# Altium PCB DB_Main-X02.PcbDoc (part 2 of 3) (continued)
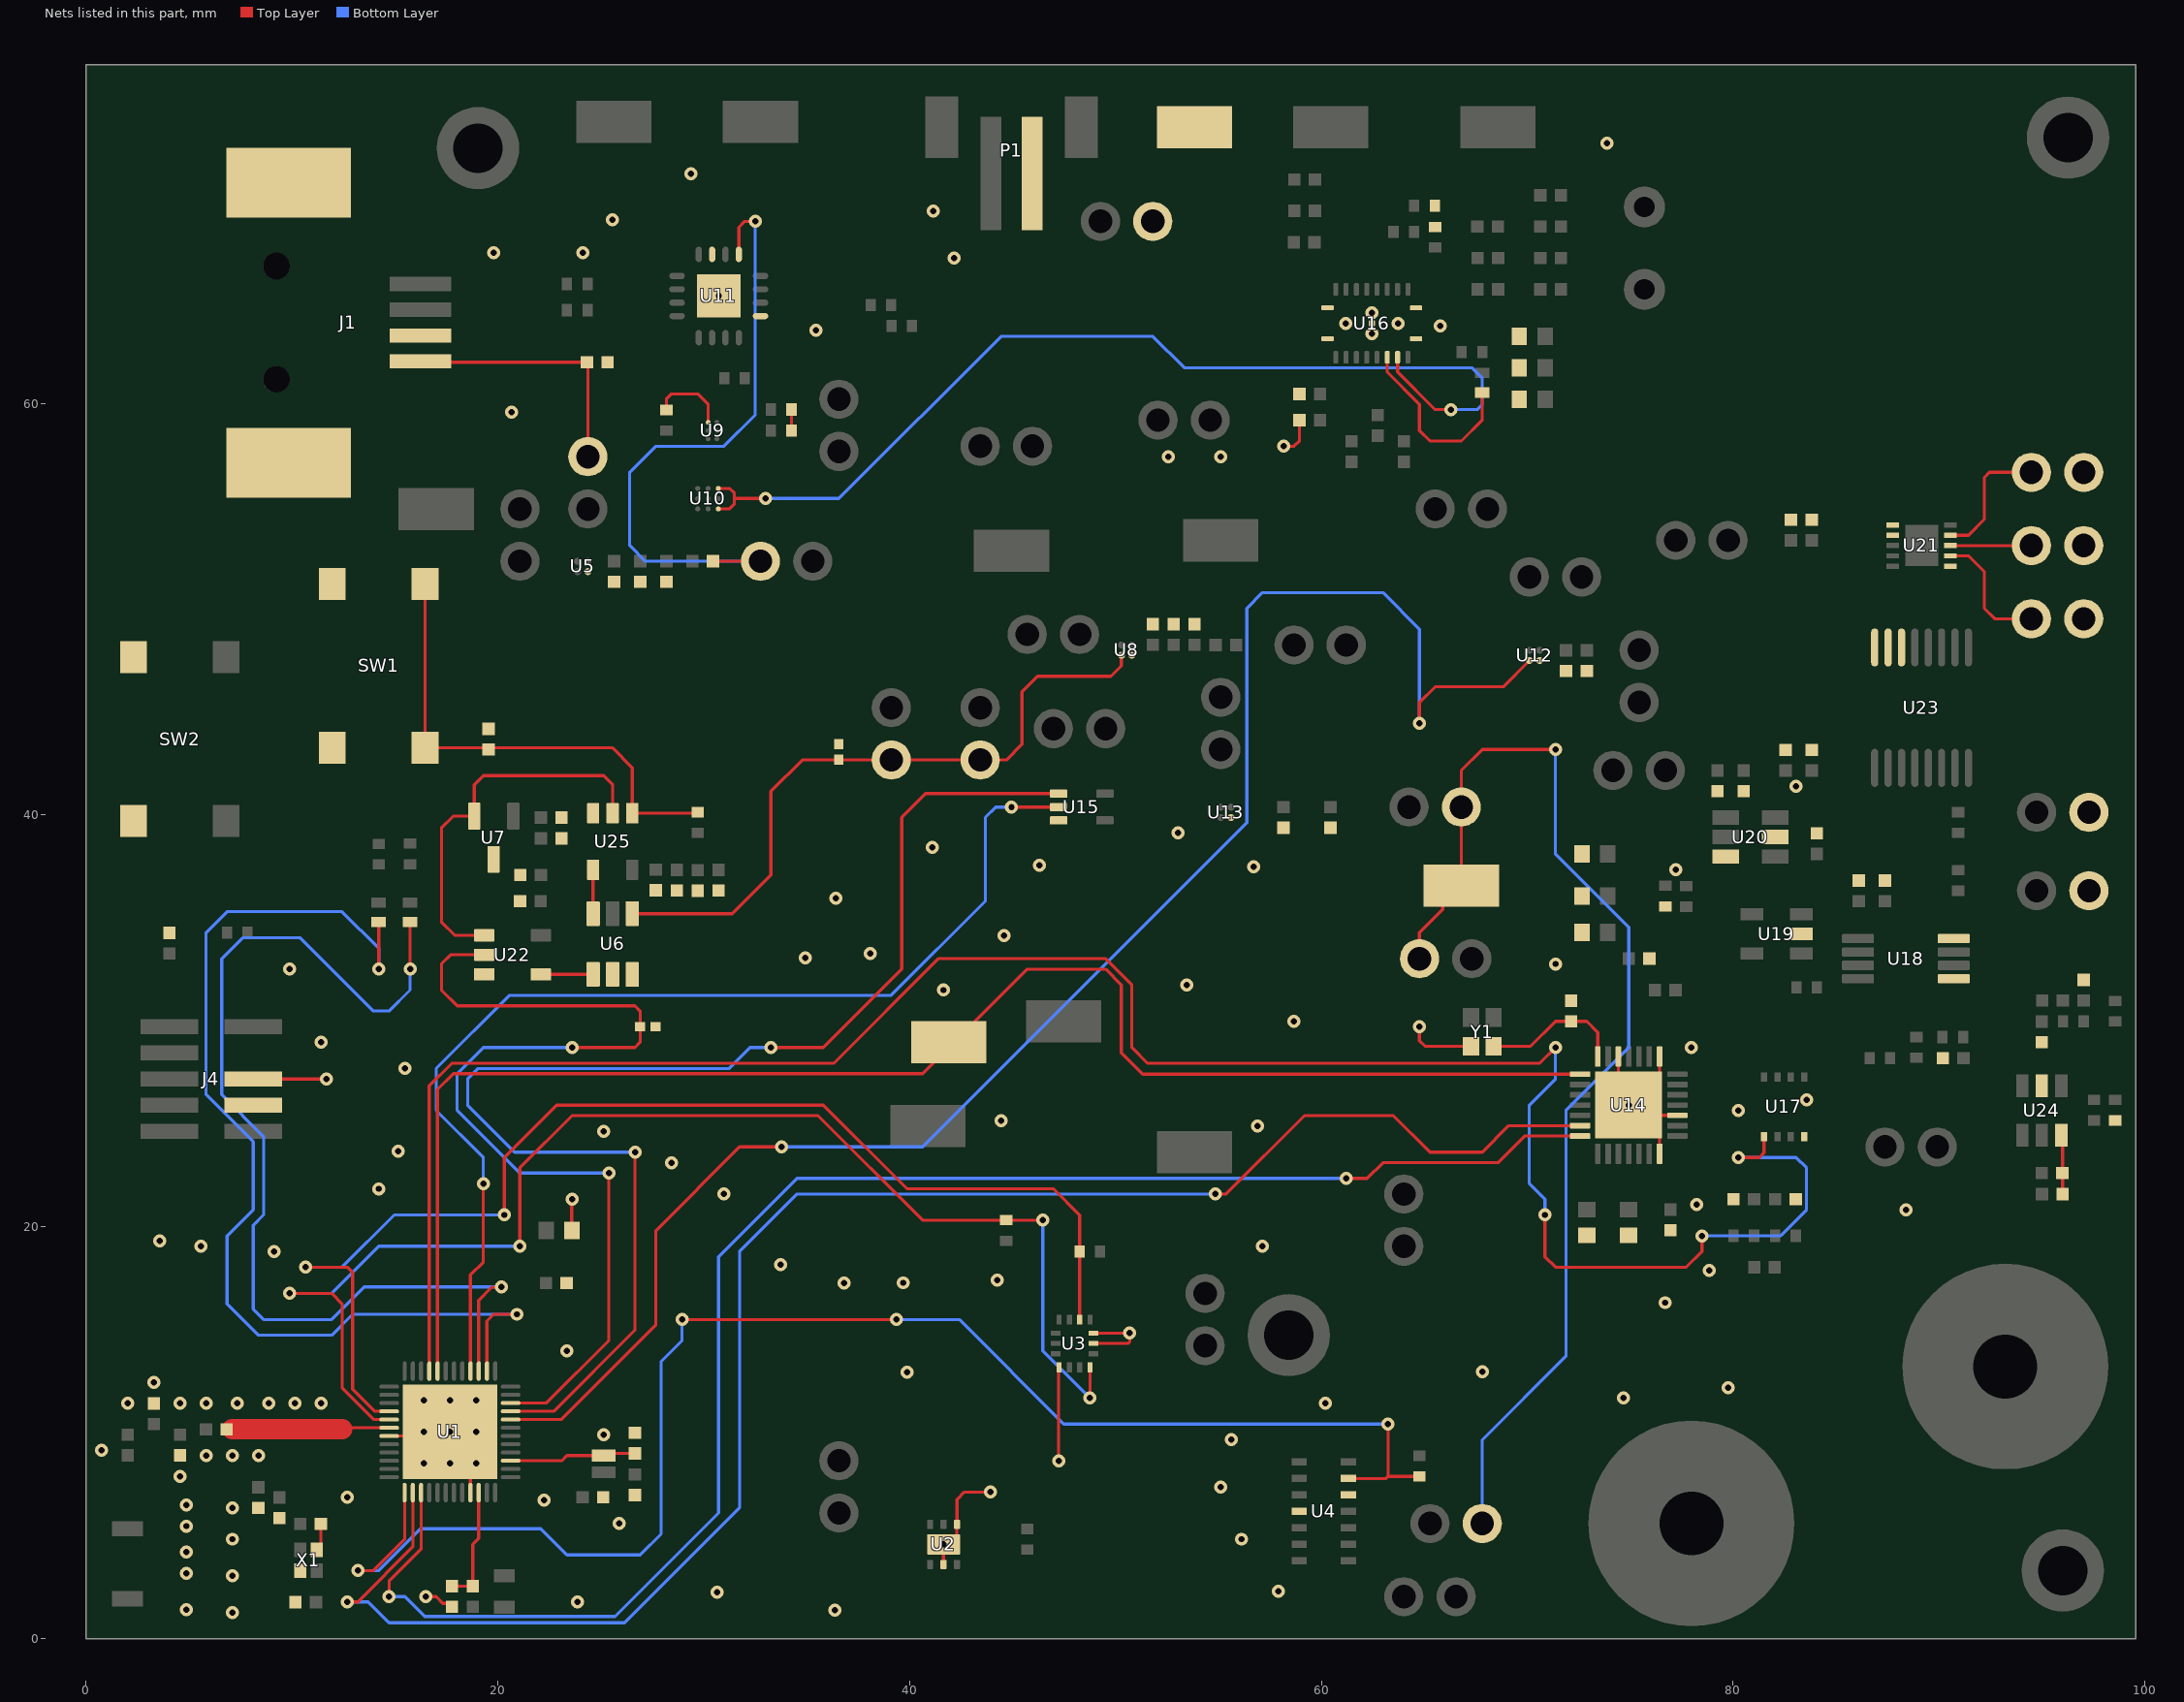
[diagram p2: the nets of this part, all layers, seen from the top]
## Part data (continued)
R14: library part R-0402(1005), "Fixed Resistor, Metal Glaze/thick Film, 0.0625W, 2000ohm, 50V, 1% +/-Tol, 100ppm/Cel, Surface Mount, 0402", Case Code (Imperial)=0402, Case Code (Metric)=1005, Manufacturer=Yageo, Manufacturer Part Number=AC0402FR-072KL, Max Operating Temperature=155°C, Max Power Dissipation=63mW, Min Operating Temperature=-55°C, Power Rating=62.5mW, Supplier Part Number 1=YAG3470CT-ND, Temperature Coefficient=100ppm/°C, Tolerance=1%, Voltage Rating=50V, Case/Package=0402, Category="Chip SMD Resistors", ComponentLink1Description=https://datasheet.ciiva.com:443/pdfs/VipMasterIC/IC/YAGO/YAGO-S-A0003597364/YAGO-S-A0003597364-1.pdf?src-supplier=IHS+Markit, ComponentLink1URL=https://datasheet.ciiva.com:443/pdfs/VipMasterIC/IC/YAGO/YAGO-S-A0003597364/YAGO-S-A0003597364-1.pdf?src-supplier=IHS+Markit, ComponentLink2Description=https://datasheet.ciiva.com/12576/pyu-ac-51-rohs-l-2-12576349.pdf?src-supplier=Mouser, ComponentLink2URL=https://datasheet.ciiva.com/12576/pyu-ac-51-rohs-l-2-12576349.pdf?src-supplier=Mouser, Composition="Thick Film", Features="Moisture Resistant,Automotive AEC-Q200", Height=0.015inch, Lead Free="Lead Free", Length=0.039inch, Number of Terminations=2, Packaging="Tape and Reel", Pricing 1="1=0.10000, 10=0.02100, 100=0.00870, 1000=0.00390, 2500=0.00338, 5000=0.00279 (USD)", Resistance=2kR, RoHS=Yes, Stock 1=172746, Supplier 1=Digi-Key, Termination=SMD/SMT, Weight=2.3E-05oz, Width=0.02inch
R24 R32 R36 R37: library part R-0402(1005), "Fixed Resistor, Metal Glaze/thick Film, 0.0625W, 0ohm, Surface Mount, 0402", Case Code (Imperial)=0402, Case Code (Metric)=1005, Manufacturer=Yageo, Manufacturer Part Number=AC0402JR-070RL, Max Operating Temperature=155°C, Max Power Dissipation=63mW, Min Operating Temperature=-55°C, Package Quantity=1, Power Rating=62.5mW, Resistor Type="Thick Film", Supplier Part Number 1=311-0.0LBCT-ND, Temperature Coefficient=200ppm/°C, Tolerance=5%, Voltage Rating=50V, Case/Package=0402, Category="Chip SMD Resistors", ComponentLink1Description=https://datasheet.ciiva.com:443/pdfs/VipMasterIC/IC/YAGO/YAGO-S-A0003597364/YAGO-S-A0003597364-1.pdf?src-supplier=IHS+Markit, ComponentLink1URL=https://datasheet.ciiva.com:443/pdfs/VipMasterIC/IC/YAGO/YAGO-S-A0003597364/YAGO-S-A0003597364-1.pdf?src-supplier=IHS+Markit, ComponentLink2Description=http://www.mouser.com/ds/2/447/yageodocoutput-1111992.pdf?src-supplier=Mouser, ComponentLink2URL=http://www.mouser.com/ds/2/447/yageodocoutput-1111992.pdf?src-supplier=Mouser, ComponentLink3Description=http://www.yageo.com/NewPortal/yageodocoutput?fileName=/pdf/R-Chip/PYu-AC_51_RoHS_L_6.pdf&src-supplier=Digi-Key, ComponentLink3URL=http://www.yageo.com/NewPortal/yageodocoutput?fileName=/pdf/R-Chip/PYu-AC_51_RoHS_L_6.pdf&src-supplier=Digi-Key, ComponentLink4Description=http://www.yageo.com/documents/recent/PYu-AC_51_RoHS_L_2_revised.pdf?src-supplier=Future+Electronics, ComponentLink4URL=http://www.yageo.com/documents/recent/PYu-AC_51_RoHS_L_2_revised.pdf?src-supplier=Future+Electronics, Features="Moisture Resistant,Automotive AEC-Q200,Anti-Sulfur", Height=0.015inch, Lead Free="Lead Free", Length=0.039inch, Number of Terminations=2, Packaging="Tape and Reel", Pricing 1="1=0.10000, 10=0.01900, 25=0.01400, 50=0.01080, 100=0.00790, 250=0.00604, 500=0.00482, 1000=0.00355, 5000=0.00255 (USD)", Resistance=0mR, RoHS=Yes, Stock 1=1100119, Supplier 1=Digi-Key, Termination=SMD/SMT, Width=0.02inch
R26 R27: library part R-0402(1005), "Fixed Resistor, Metal Glaze/thick Film, 0.0625W, 49900ohm, 50V, 1% +/-Tol, 100ppm/Cel, Surface Mount, 0402", Case Code (Imperial)=0402, Case Code (Metric)=1005, Manufacturer=Yageo, Manufacturer Part Number=AC0402FR-0749K9L, Max Operating Temperature=155°C, Max Power Dissipation=63mW, Min Operating Temperature=-55°C, Power Rating=62.5mW, Supplier Part Number 1=YAG3493CT-ND, Temperature Coefficient=100ppm/°C, Tolerance=1%, Voltage Rating=50V, Case/Package=0402, Category="Chip SMD Resistors", ComponentLink1Description=https://datasheet.ciiva.com:443/pdfs/VipMasterIC/IC/YAGO/YAGO-S-A0003597364/YAGO-S-A0003597364-1.pdf?src-supplier=IHS+Markit, ComponentLink1URL=https://datasheet.ciiva.com:443/pdfs/VipMasterIC/IC/YAGO/YAGO-S-A0003597364/YAGO-S-A0003597364-1.pdf?src-supplier=IHS+Markit, ComponentLink2Description=http://www.mouser.com/ds/2/447/yageodocoutput-1111992.pdf?src-supplier=Mouser, ComponentLink2URL=http://www.mouser.com/ds/2/447/yageodocoutput-1111992.pdf?src-supplier=Mouser, ComponentLink3Description=http://www.yageo.com/NewPortal/yageodocoutput?fileName=/pdf/R-Chip/PYu-AC_51_RoHS_L_6.pdf&src-supplier=Digi-Key, ComponentLink3URL=http://www.yageo.com/NewPortal/yageodocoutput?fileName=/pdf/R-Chip/PYu-AC_51_RoHS_L_6.pdf&src-supplier=Digi-Key, Composition="Thick Film", Features="Moisture Resistant,Automotive AEC-Q200", Height=0.015inch, Length=0.039inch, Number of Terminations=2, Packaging="Tape and Reel", Pricing 1="1=0.10000, 10=0.02100, 100=0.00870, 1000=0.00390, 2500=0.00338, 5000=0.00279 (USD)", Resistance=49.9kR, RoHS=Yes, Stock 1=87188, Supplier 1=Digi-Key, Termination=SMD/SMT, Weight=2.3E-05oz, Width=0.5mm
R28 R29: library part R-0402(1005), "Fixed Resistor, Metal Glaze/thick Film, 0.0625W, 22ohm, 50V, 5% +/-Tol, 100ppm/Cel, Surface Mount, 0402", Case Code (Imperial)=0402, Case Code (Metric)=1005, Manufacturer=Yageo, Manufacturer Part Number=RC0402JR-0722RL, Max Operating Temperature=155°C, Max Power Dissipation=63mW, Min Operating Temperature=-55°C, Package Quantity=1, Power Rating=62.5mW, Supplier Part Number 1=311-22JRCT-ND, Temperature Coefficient=100ppm/°C, Tolerance=5%, Voltage Rating=50V, Case/Package=0402, Category="Chip SMD Resistors", ComponentLink1Description=https://datasheet.ciiva.com:443/pdfs/VipMasterIC/IC/YAGO/YAGO-S-A0008145938/YAGO-S-A0008145938-1.pdf?src-supplier=IHS+Markit, ComponentLink1URL=https://datasheet.ciiva.com:443/pdfs/VipMasterIC/IC/YAGO/YAGO-S-A0008145938/YAGO-S-A0008145938-1.pdf?src-supplier=IHS+Markit, ComponentLink2Description=https://datasheet.ciiva.com/2452/pyu-r-int-thick-7-2452770.pdf?src-supplier=Digi-Key, ComponentLink2URL=https://datasheet.ciiva.com/2452/pyu-r-int-thick-7-2452770.pdf?src-supplier=Digi-Key, ComponentLink3Description=https://datasheet.ciiva.com/7850/1018594-7850181.pdf?src-supplier=Element14, ComponentLink3URL=https://datasheet.ciiva.com/7850/1018594-7850181.pdf?src-supplier=Element14, ComponentLink4Description=https://datasheet.ciiva.com/46394/1018594-46394972.pdf?src-supplier=Element14, ComponentLink4URL=https://datasheet.ciiva.com/46394/1018594-46394972.pdf?src-supplier=Element14, ComponentLink5Description=https://datasheet.ciiva.com/2452/pyu-r-int-thick-7-2452771.pdf?src-supplier=Digi-Key, ComponentLink5URL=https://datasheet.ciiva.com/2452/pyu-r-int-thick-7-2452771.pdf?src-supplier=Digi-Key, ComponentLink6Description=https://datasheet.ciiva.com/2452/pyu-r-int-thick-7-2452772.pdf?src-supplier=Digi-Key, ComponentLink6URL=https://datasheet.ciiva.com/2452/pyu-r-int-thick-7-2452772.pdf?src-supplier=Digi-Key, ComponentLink7Description=https://datasheet.ciiva.com/12656/pyu-rc0402-51-rohs-l-6-r-12656926.pdf?src-supplier=Mouser, ComponentLink7URL=https://datasheet.ciiva.com/12656/pyu-rc0402-51-rohs-l-6-r-12656926.pdf?src-supplier=Mouser, Composition="Thick Film", Depth=0.5mm, Features="Moisture Resistant", Height=0.016inch, Lead Free="Lead Free", Length=0.039inch, Military Standard=Not, Number of Terminations=2, Packaging="Tape and Reel", Pricing 1="1=0.10000, 10=0.01300, 100=0.00530, 1000=0.00236, 2500=0.00205, 5000=0.00169 (USD)", REACH SVHC="No SVHC", Resistance=22R, RoHS=Yes, Stock 1=9648, Supplier 1=Digi-Key, Termination=SMD/SMT, Width=0.02inch
R33 R35: library part R-0402(1005), "Fixed Resistor, Metal Glaze/thick Film, 0.0625W, 100000ohm, 50V, 1% +/-Tol, 100ppm/Cel, Surface Mount, 0402", Case Code (Imperial)=0402, Case Code (Metric)=1005, Manufacturer=Yageo, Manufacturer Part Number=AC0402FR-07100KL, Max Operating Temperature=155°C, Max Power Dissipation=63mW, Min Operating Temperature=-55°C, Power Rating=62.5mW, Resistor Type="Thick Film", Supplier Part Number 1=YAG3434CT-ND, Temperature Coefficient=100ppm/°C, Tolerance=1%, Voltage Rating=50V, Case/Package=0402, Category="Chip SMD Resistors", ComponentLink1Description=https://datasheet.ciiva.com:443/pdfs/VipMasterIC/IC/YAGO/YAGO-S-A0003597364/YAGO-S-A0003597364-1.pdf?src-supplier=IHS+Markit, ComponentLink1URL=https://datasheet.ciiva.com:443/pdfs/VipMasterIC/IC/YAGO/YAGO-S-A0003597364/YAGO-S-A0003597364-1.pdf?src-supplier=IHS+Markit, ComponentLink2Description=http://components.arrow.com/part/dataview/0323_03348509?src-supplier=Arrow+Europe, ComponentLink2URL=http://components.arrow.com/part/dataview/0323_03348509?src-supplier=Arrow+Europe, ComponentLink3Description=http://www.yageo.com/NewPortal/yageodocoutput?fileName=/pdf/R-Chip/PYu-AC_51_RoHS_L_6.pdf&src-supplier=Digi-Key, ComponentLink3URL=http://www.yageo.com/NewPortal/yageodocoutput?fileName=/pdf/R-Chip/PYu-AC_51_RoHS_L_6.pdf&src-supplier=Digi-Key, ComponentLink4Description=http://www.yageo.com/documents/recent/PYu-AC_51_RoHS_L_2.pdf?src-supplier=Mouser, ComponentLink4URL=http://www.yageo.com/documents/recent/PYu-AC_51_RoHS_L_2.pdf?src-supplier=Mouser, ComponentLink5Description=http://www.yageo.com/documents/recent/PYu-AC_51_RoHS_L_2_revised.pdf?src-supplier=Future+Electronics, ComponentLink5URL=http://www.yageo.com/documents/recent/PYu-AC_51_RoHS_L_2_revised.pdf?src-supplier=Future+Electronics, Depth=0.5mm, Features="Moisture Resistant,Automotive AEC-Q200", Height=0.015inch, Lead Free="Lead Free", Length=1mm, Military Standard=Not, Number of Terminations=2, Packaging="Tape and Reel", Pricing 1="1=0.10000, 10=0.02000, 100=0.00830, 1000=0.00374, 2500=0.00324, 5000=0.00268 (USD)", Resistance=100kR, RoHS=Yes, Stock 1=239006, Supplier 1=Digi-Key, Termination=SMD/SMT, Width=0.02inch
SW1 SW2: library part CMP-1677-00001-4, "Sealed Tactile Switch, SPST-NO, 3 to 24 V, -25 to 70 degC, 4-Pin SMD, RoHS, Bulk", Contact Current Rating=50mA, Contact Resistance=100mR, Manufacturer=Omron, Manufacturer Part Number=B3S-1000P, Max Operating Temperature=70°C, Max Voltage Rating (DC)=24V, Min Operating Temperature=-25°C, Operating Force=1.57N, Package Quantity=1, Ratings="IP67,Waterproof,Dust Tight", Supplier Part Number 1=SW836CT-ND, Actuator Length=0.8mm, Actuator Type=Standard, Category="Tactile Switches", ComponentLink1Description=https://datasheet.ciiva.com:443/pdfs/VipMasterIC/IC/OMRN/OMRN-S-A0001309939/OMRN-S-A0001309939-1.pdf?src-supplier=IHS+Markit, ComponentLink1URL=https://datasheet.ciiva.com:443/pdfs/VipMasterIC/IC/OMRN/OMRN-S-A0001309939/OMRN-S-A0001309939-1.pdf?src-supplier=IHS+Markit, ComponentLink2Description=https://datasheet.ciiva.com/2899/b3s-1110-2899873.pdf?src-supplier=Digi-Key, ComponentLink2URL=https://datasheet.ciiva.com/2899/b3s-1110-2899873.pdf?src-supplier=Digi-Key, ComponentLink3Description=https://datasheet.ciiva.com/2899/b3s-1110-2899874.pdf?src-supplier=Digi-Key, ComponentLink3URL=https://datasheet.ciiva.com/2899/b3s-1110-2899874.pdf?src-supplier=Digi-Key, ComponentLink4Description=https://datasheet.ciiva.com/2899/b3s-1110-2899875.pdf?src-supplier=Digi-Key, ComponentLink4URL=https://datasheet.ciiva.com/2899/b3s-1110-2899875.pdf?src-supplier=Digi-Key, ComponentLink5Description=https://datasheet.ciiva.com/15183/getdatasheetpartid-211358-15183771.pdf?src-supplier=Verical, ComponentLink5URL=https://datasheet.ciiva.com/15183/getdatasheetpartid-211358-15183771.pdf?src-supplier=Verical, ComponentLink6Description=https://datasheet.ciiva.com/27056/2086750-27056652.pdf?src-supplier=Jameco, ComponentLink6URL=https://datasheet.ciiva.com/27056/2086750-27056652.pdf?src-supplier=Jameco, ComponentLink7Description=https://datasheet.ciiva.com/16155/en-b3s-16155006.pdf?src-supplier=Onlinecomponents.com, ComponentLink7URL=https://datasheet.ciiva.com/16155/en-b3s-16155006.pdf?src-supplier=Onlinecomponents.com, ComponentLink8Description=https://datasheet.ciiva.com/30125/en-b3s-30125455.pdf?src-supplier=Onlinecomponents.com, ComponentLink8URL=https://datasheet.ciiva.com/30125/en-b3s-30125455.pdf?src-supplier=Onlinecomponents.com, Contact Material=Bronze, Contact Plating=Silver, Current Rating=50mA, Depth=9mm, Electrical Life=500000Cycles, Height=3.65mm, Illumination Type=Non-Illuminated, Lead Free="Lead Free", Length=6.6mm, Max Current Rating=50mA, Mechanical Life=500000Cycles, Mount="Surface Mount", Number of Poles=1, Orientation=Straight, Packaging="Tape and Reel", Pricing 1="1=0.80000, 10=0.77500, 25=0.74520, 100=0.64690, 250=0.59024, 500=0.54850 (USD)", Radiation Hardening=No, REACH SVHC="No SVHC", RoHS=Yes, Stock 1=209545, Supplier 1=Digi-Key, Switch Function=Off-Mom, Switch Travel=0.25mm, Termination="Gull Wing", Throw Configuration=SPST, Voltage Rating (DC)=24V, Weight=0.010582oz, Width=6mm
TP1 TP2 TP3 TP4 TP5 TP6 TP7 TP8 TP9 TP10 TP13 TP14 TP19: "PC TEST POINT TIN SMD", Color=Natural, Manufacturer="Harwin Inc.", Supplier Part Number 1=952-1478-1-ND, Category="Test and Measurement", ComponentLink1Description=http://cdn.harwin.com/pdfs/S1751.pdf, ComponentLink1URL=http://cdn.harwin.com/pdfs/S1751.pdf, Manufacturer Part Number=S1751-46R, Material="Copper Alloy", Mounting Type="Surface Mount", Packaging="Cut Tape (CT)", Pricing 1="1=0.29, 10=0.272, 25=0.2324, 50=0.2032, 100=0.1888, 250=0.167, 500=0.15972, 1000=0.13068 (USD)", RoHS="RoHS Compliant", Stock 1=275112, Supplier 1=Digi-Key, Terminal="0.128\" x 0.065\" x 0.079\" (3.25mm x 1.65mm x 2.00mm) Brass, Tin Plated", Type="PC Test Point"
TP11 TP12 TP15 TP16 TP17 TP18 TP20 TP21 TP23 TP24 TP25 TP26 TP27 TP28 TP29 TP30 TP31 TP32 TP33 TP34 TP35 TP36 TP37 TP38 TP39 TP40 TP41 TP42 TP43 TP44 TP45: "SHUNT LP W/HANDLE 2 POS 30AU", Color=Black, Contact Current Rating=3A, Contact Resistance=15mR, Flammability Rating="UL94 V-0", Manufacturer="TE Connectivity", Manufacturer Part Number=8815452, Max Operating Temperature=105°C, Min Operating Temperature=-65°C, Package Quantity=14000, Supplier Part Number 1=A26242-ND, Approvals=UL,CSA, Category="Headers and Wire Housings", ComponentLink1Description=https://datasheet.ciiva.com/1455/92946-1455888.pdf?src-supplier=Newark, ComponentLink1URL=https://datasheet.ciiva.com/1455/92946-1455888.pdf?src-supplier=Newark, ComponentLink2Description=https://datasheet.ciiva.com/19459/841467-19459897.pdf?src-supplier=Jameco, ComponentLink2URL=https://datasheet.ciiva.com/19459/841467-19459897.pdf?src-supplier=Jameco, ComponentLink3Description=https://datasheet.ciiva.com/15174/getdatasheetpartid-155768-15174939.pdf?src-supplier=Verical, ComponentLink3URL=https://datasheet.ciiva.com/15174/getdatasheetpartid-155768-15174939.pdf?src-supplier=Verical, ComponentLink4Description=https://datasheet.ciiva.com/11754/0900766b80da19e8-11754990.pdf?src-supplier=RSComponents, ComponentLink4URL=https://datasheet.ciiva.com/11754/0900766b80da19e8-11754990.pdf?src-supplier=RSComponents, ComponentLink5Description=https://datasheet.ciiva.com/30154/eng-cs-1307819-section-6-7and8-0808-30154293.pdf?src-supplier=Onlinecomponents.com, ComponentLink5URL=https://datasheet.ciiva.com/30154/eng-cs-1307819-section-6-7and8-0808-30154293.pdf?src-supplier=Onlinecomponents.com, ComponentLink6Description=https://datasheet.ciiva.com/767/eng-cd-881545-k3-767850.pdf?src-supplier=Digi-Key, ComponentLink6URL=https://datasheet.ciiva.com/767/eng-cd-881545-k3-767850.pdf?src-supplier=Digi-Key, ComponentLink7Description=https://datasheet.ciiva.com/3120/eng-cs-1307819-section-6-7and8-0808-3120202.pdf?src-supplier=Avnet, ComponentLink7URL=https://datasheet.ciiva.com/3120/eng-cs-1307819-section-6-7and8-0808-3120202.pdf?src-supplier=Avnet, Contact Gender=Female, Contact Material=Bronze, Contact Plating=Gold, Current Rating=3A, Depth=10.9mm, Gender=Female, Height=10.9mm, Housing Color=Black, Housing Material=Thermoplastic, Length=5.08mm, Number of Contacts=2, Number of Positions=2, Number of Rows=1, Orientation=Straight, Packaging=Bag, Pitch=2.54mm, Pricing 1="1=0.280000, 10=0.262000, 25=0.223600, 50=0.195600, 100=0.181700, 250=0.160760, 500=0.153760, 1000=0.125800, 2500=0.115320 (USD)", Radiation Hardening=No, REACH SVHC="No SVHC", RoHS=Yes, Stock 1=2099, Supplier 1=Digi-Key, Termination=Solder, Width=2.5mm
U1: library part NRSC-NRF52832-QF-48, "Multiprotocol Bluetooth Smart, ANT/ANT+ and Proprietary System-on-Chip, 2.4 GHz, 256 KB FLASH, 1.7 to 3.6 V, -40 to 85 degC, 48-Pin QFN, RoHS, Tape and Reel", Current - Receiving=5.4mA, Current - Transmitting=7.5mA, Frequency=2.4GHz, Manufacturer="Nordic Semiconductor", Supplier Part Number 1=1490-1067-1-ND, Category="RF Receivers, Transceivers", ComponentLink1Description=https://datasheet.ciiva.com:443/pdfs/VipMasterIC/IC/NRSA/NRSA-S-A0002414264/NRSA-S-A0002414264-1.pdf?src-supplier=IHS+Markit, ComponentLink1URL=https://datasheet.ciiva.com:443/pdfs/VipMasterIC/IC/NRSA/NRSA-S-A0002414264/NRSA-S-A0002414264-1.pdf?src-supplier=IHS+Markit, ComponentLink5Description=http://infocenter.nordicsemi.com/pdf/nRF52832_PB_v1.7.pdf?src-supplier=Digi-Key, ComponentLink5URL=http://infocenter.nordicsemi.com/pdf/nRF52832_PB_v1.7.pdf?src-supplier=Digi-Key, ComponentLink6Description=http://infocenter.nordicsemi.com/pdf/nRF52832_PS_v1.4.pdf?src-supplier=Digi-Key, ComponentLink6URL=http://infocenter.nordicsemi.com/pdf/nRF52832_PS_v1.4.pdf?src-supplier=Digi-Key, Data Rate=2Mbps, Interface=SPI,UART, Manufacturer Part Number=NRF52832-QFAA-R7, Memory Size=64KB, Number of GPIO=32, Packaging="Tape and Reel", Pricing 1="1=5.46000, 10=4.87500, 25=4.38760, 100=3.99750, 250=3.60752, 500=3.23700 (USD)", RoHS=No, Sensitivity=-96dBm, Stock 1=7487, Supplier 1=Digi-Key
U2: library part bceab6869a9cb85cf5675529ee35ce4, "TEMPERATURE SENSOR", Ambient Temperature Range High=+150°C, Ambient Temperature Range Low=-55°C, Manufacturer="Texas Instruments", Max Operating Temperature=150°C, Max Supply Voltage=5.5V, Min Supply Voltage=1.8V, Operating Supply Current=3.5-16uA, Package=DRV0006A, Supplier Part Number 1=296-51834-1-ND, Temperature="-55°C to +150°C", Automotive=No, Category=IC, ComponentLink1Description=https://www.ti.com:443/lit/ds/symlink/tmp117.pdf?src-supplier=IHS+Markit, ComponentLink1URL=https://www.ti.com:443/lit/ds/symlink/tmp117.pdf?src-supplier=IHS+Markit, ComponentLink2Description=Datasheet, ComponentLink2URL=http://www.ti.com/lit/ds/symlink/tmp117.pdf, ComponentLink3Description=http://www.ti.com/lit/gpn/tmp117?src-supplier=Digi-Key, ComponentLink3URL=http://www.ti.com/lit/gpn/tmp117?src-supplier=Digi-Key, Device Class L1=Sensors, Device Class L2="Temperature and Humidity Sensors", Device Class L3=unset, Digikey Description="TEMPERATURE SENSOR", Height=0.8mm, Interface=I2C,2-Wire,SMBus, Ipc Land Pattern Name=DFN200X200X80-6, Lead Free=Yes, Manufacturer Part Number=TMP117AIDRVR, Max Junction Temp=+150°C, Min Operating Temperature=-55°C, Mount="Surface Mount", Octopart=https://octopart.com/tmp117aidrvr-texas+instruments-95511044, Output Type=I2C, Packaging="Cut Tape", Pricing 1="1=8.02000, 5=7.07600, 10=6.25000, 25=5.07040, 50=4.48100, 100=4.36300, 500=3.65552, 1000=3.41968 (USD)", Resolution=16bits, RoHS=TRUE, Standoff Height=0mm, Stock 1=3558, Supplier 1=Digi-Key, Temperature Range High=+150°C, Temperature Range Low=-55°C
U3: library part CMP-191067-000003-1, "IMU ACCEL/GYRO I2C/SPI 14LGA", Case/Package=LGA, Manufacturer=Bosch, Max Operating Temperature=85°C, Min Operating Temperature=-40°C, Supplier Part Number 1=828-1057-1-ND, Category="Inertial Measurement Units (IMUs)", ComponentLink1Description=https://ae-bst.resource.bosch.com/media/_tech/media/datasheets/BST-BMI160-DS000.pdf?src-supplier=Digi-Key, ComponentLink1URL=https://ae-bst.resource.bosch.com/media/_tech/media/datasheets/BST-BMI160-DS000.pdf?src-supplier=Digi-Key, ComponentLink2Description=https://ae-bst.resource.bosch.com/media/_tech/media/application_notes/BST-MIS-HS001.pdf?src-supplier=Digi-Key, ComponentLink2URL=https://ae-bst.resource.bosch.com/media/_tech/media/application_notes/BST-MIS-HS001.pdf?src-supplier=Digi-Key, Lead Free="Lead Free", Manufacturer Part Number=BMI160, Mount="Surface Mount", Output Type=SPI,I2C, Packaging="Cut Tape", Pricing 1="1=4.98000, 5=4.39600, 10=3.88300, 25=3.15000, 50=2.78380, 100=2.71060, 500=2.27106, 1000=2.21760 (USD)", RoHS=No, Sensor Type="Accelerometer,Gyroscope,3 Axis", Stock 1=36621, Supplier 1=Digi-Key
U4: library part CMP-05738-000003-1, "IC SENSOR OXIMETER/HEARTRATE", Manufacturer=Maxim, Max Operating Temperature=85°C, Max Supply Voltage=2V, Min Operating Temperature=-40°C, Min Supply Voltage=1.7V, Supplier Part Number 1=MAX30102EFD+-ND, Category="Decoders and Multiplexers", ComponentLink1Description=http://www.farnell.com/datasheets/2162814.pdf?src-supplier=Farnell, ComponentLink1URL=http://www.farnell.com/datasheets/2162814.pdf?src-supplier=Farnell, ComponentLink2Description=https://datasheets.maximintegrated.com/en/ds/MAX30102.pdf?src-supplier=Digi-Key, ComponentLink2URL=https://datasheets.maximintegrated.com/en/ds/MAX30102.pdf?src-supplier=Digi-Key, ComponentLink3Description=http://www.farnell.com/datasheets/2162814.pdf?src-supplier=Element14, ComponentLink3URL=http://www.farnell.com/datasheets/2162814.pdf?src-supplier=Element14, Manufacturer Part Number=MAX30102EFD+, Number of Pins=14, Pricing 1="1=9.51000, 10=8.59500, 25=8.19480, 100=7.11560, 500=6.19612, 1000=5.39663, 5000=4.99688 (USD)", REACH SVHC="No SVHC", RoHS=Yes, Stock 1=140, Supplier 1=Digi-Key
U5 U8 U12: library part ADP160-3_3V, "Fixed Positive LDO Regulator, 3.3V, 0.195V Dropout, CMOS, PBGA4", Dropout Voltage=105mV, Manufacturer="Analog Devices", Manufacturer Part Number=ADP160ACBZ-3.3-R7, Max Input Voltage=5.5V, Max Operating Temperature=125°C, Max Output Current=150mA, Max Output Voltage=4.2V, Max Supply Current=42uA, Min Current Limit=220mA, Min Input Voltage=2.2V, Min Operating Temperature=-40°C, Min Output Voltage=1.2V, Nominal Output Voltage=3.3V, Output Voltage Accuracy=2%, Package Quantity=3000, Power Supply Rejection Ratio (PSRR)=60dB, Supplier Part Number 1=ADP160ACBZ-3.3-R7CT-ND, Accuracy=2%, Category="Voltage Regulators - Linear", ComponentLink1Description=https://datasheet.ciiva.com:443/pdfs/VipMasterIC/IC/ANDI/ANDI-S-A0005865400/ANDI-S-A0005865400-1.pdf?src-supplier=IHS+Markit, ComponentLink1URL=https://datasheet.ciiva.com:443/pdfs/VipMasterIC/IC/ANDI/ANDI-S-A0005865400/ANDI-S-A0005865400-1.pdf?src-supplier=IHS+Markit, ComponentLink2Description=https://datasheet.ciiva.com/15271/adp160-161-162-163-15271721.pdf?src-supplier=Arrow+Europe, ComponentLink2URL=https://datasheet.ciiva.com/15271/adp160-161-162-163-15271721.pdf?src-supplier=Arrow+Europe, ComponentLink3Description=https://datasheet.ciiva.com/8242/adp160-161-162-163-8242024.pdf?src-supplier=Avnet, ComponentLink3URL=https://datasheet.ciiva.com/8242/adp160-161-162-163-8242024.pdf?src-supplier=Avnet, ComponentLink4Description=https://datasheet.ciiva.com/18552/adp160-161-162-163-18552347.pdf?src-supplier=Digi-Key, ComponentLink4URL=https://datasheet.ciiva.com/18552/adp160-161-162-163-18552347.pdf?src-supplier=Digi-Key, ComponentLink5Description=https://datasheet.ciiva.com/18552/adp160-161-162-163-18552348.pdf?src-supplier=Digi-Key, ComponentLink5URL=https://datasheet.ciiva.com/18552/adp160-161-162-163-18552348.pdf?src-supplier=Digi-Key, ComponentLink6Description=https://datasheet.ciiva.com/18552/adp160-161-162-163-18552349.pdf?src-supplier=Digi-Key, ComponentLink6URL=https://datasheet.ciiva.com/18552/adp160-161-162-163-18552349.pdf?src-supplier=Digi-Key, Lead Free="Contains Lead", Mount="Surface Mount", Nominal Supply Current=42uA, Number of Outputs=1, Number of Pins=4, Number of Regulators=1, Operating Supply Current=42uA, Output Current=150mA, Output Type=Fixed, Output Voltage=3.3V, Packaging="Tape and Reel", Polarity=Positive, Pricing 1="1=1.12000, 10=1.00300, 25=0.95200, 100=0.73100, 250=0.64600, 500=0.61200, 1000=0.49300 (USD)", Radiation Hardening=No, REACH SVHC="No SVHC", RoHS=Yes, Supplier 1=Digi-Key
U6: library part CMP-0859-00228-3, "CONFIGURABLE MULTIPLE-FUNCTION GATE, DBV0006A, LARGE T&R", Case/Package=SOT-23, High Level Output Current=-32mA, Low Level Output Current=32mA, Manufacturer="Texas Instruments", Max Operating Temperature=125°C, Max Supply Voltage=5.5V, Min Operating Temperature=-40°C, Min Supply Voltage=1.65V, Package Quantity=3000, Quiescent Current=10uA, Supplier Part Number 1=296-15574-1-ND, Category="Logic Gates", ComponentLink1Description=https://www.ti.com:443/lit/ds/symlink/sn74lvc1g57.pdf?src-supplier=IHS+Markit, ComponentLink1URL=https://www.ti.com:443/lit/ds/symlink/sn74lvc1g57.pdf?src-supplier=IHS+Markit, ComponentLink2Description=https://datasheet.ciiva.com/15090/getdatasheetpartid-173082-15090973.pdf?src-supplier=Verical, ComponentLink2URL=https://datasheet.ciiva.com/15090/getdatasheetpartid-173082-15090973.pdf?src-supplier=Verical, ComponentLink3Description=https://datasheet.ciiva.com/1880/sn74lvc1g57-1880083.pdf?src-supplier=Digi-Key, ComponentLink3URL=https://datasheet.ciiva.com/1880/sn74lvc1g57-1880083.pdf?src-supplier=Digi-Key, ComponentLink4Description=https://datasheet.ciiva.com/1880/sn74lvc1g57-1880084.pdf?src-supplier=Digi-Key, ComponentLink4URL=https://datasheet.ciiva.com/1880/sn74lvc1g57-1880084.pdf?src-supplier=Digi-Key, ComponentLink5Description=https://datasheet.ciiva.com/46395/1882763-46395382.pdf?src-supplier=Element14, ComponentLink5URL=https://datasheet.ciiva.com/46395/1882763-46395382.pdf?src-supplier=Element14, ComponentLink6Description=https://datasheet.ciiva.com/46439/1834192-46439175.pdf?src-supplier=Element14, ComponentLink6URL=https://datasheet.ciiva.com/46439/1834192-46439175.pdf?src-supplier=Element14, ComponentLink7Description=https://datasheet.ciiva.com/7783/1771418-7783483.pdf?src-supplier=Element14, ComponentLink7URL=https://datasheet.ciiva.com/7783/1771418-7783483.pdf?src-supplier=Element14, ComponentLink8Description=https://datasheet.ciiva.com/7783/1771418-7783484.pdf?src-supplier=Element14, ComponentLink8URL=https://datasheet.ciiva.com/7783/1771418-7783484.pdf?src-supplier=Element14, ComponentLink9Description=https://datasheet.ciiva.com/1880/sn74lvc1g57-1880082.pdf?src-supplier=Digi-Key, ComponentLink9URL=https://datasheet.ciiva.com/1880/sn74lvc1g57-1880082.pdf?src-supplier=Digi-Key, ComponentLink10Description=https://datasheet.ciiva.com/48702/001075107-da-01-en-ic-mult-fun-sn74lvc1g57dbvr-sot-23-6-tid-48702374.pdf?src-supplier=Conrad, ComponentLink10URL=https://datasheet.ciiva.com/48702/001075107-da-01-en-ic-mult-fun-sn74lvc1g57dbvr-sot-23-6-tid-48702374.pdf?src-supplier=Conrad, Contact Plating=Gold, Height=1.3mm, Lead Free="Lead Free", Length=3.05mm, Logic Function="NAND GATE,AND GATE,NOR GATE,OR GATE,Inverter,Multi Function", Manufacturer Part Number=SN74LVC1G57DBVR, Max Output Current=32mA, Mount="Surface Mount", Number of Bits=1, Number of Circuits=1, Number of Elements=1, Number of Gates=1, Number of Input Lines=2, Number of Inputs=3, Number of Output Lines=1, Number of Outputs=1, Number of Pins=6, Output Current=32mA, Packaging="Tape and Reel", Pricing 1="1=0.37000, 10=0.28100, 25=0.25320, 100=0.17480, 250=0.14720, 500=0.11960, 1000=0.09200 (USD)", Propagation Delay=6.3ns, Radiation Hardening=No, REACH SVHC="No SVHC", RoHS=Yes, Schmitt Trigger Input=Yes, Stock 1=11185, Supplier 1=Digi-Key, Termination=SMD/SMT, Turn-On Delay Time=6.1ns, Weight=0.000229oz, Width=1.75mm
U7: library part CMP-04937-000003-1, "LP HALL 32FBDBZR", Case/Package=TO-236-3, Manufacturer="Texas Instruments", Max Operating Temperature=85°C, Max Output Current=5mA, Max Supply Current=2.6mA, Min Operating Temperature=-40°C, Supplier Part Number 1=296-47323-1-ND, Category="Integrated Circuits (ICs)", ComponentLink1Description=https://www.ti.com:443/lit/ds/symlink/drv5032.pdf?src-supplier=IHS+Markit, ComponentLink1URL=https://www.ti.com:443/lit/ds/symlink/drv5032.pdf?src-supplier=IHS+Markit, ComponentLink2Description=Datasheet, ComponentLink2URL=http://www.ti.com/lit/ds/symlink/drv5032.pdf, ComponentLink3Description=http://www.ti.com/lit/ds/symlink/drv5032.pdf?src-supplier=Digi-Key, ComponentLink3URL=http://www.ti.com/lit/ds/symlink/drv5032.pdf?src-supplier=Digi-Key, ComponentLink4Description=http://www.ti.com/general/docs/suppproductinfo.tsp?distId=10&amp;gotoUrl=http%3A%2F%2Fwww.ti.com%2Flit%2Fgpn%2Fdrv5032&src-supplier=Digi-Key, ComponentLink4URL=http://www.ti.com/general/docs/suppproductinfo.tsp?distId=10&amp;gotoUrl=http%3A%2F%2Fwww.ti.com%2Flit%2Fgpn%2Fdrv5032&src-supplier=Digi-Key, Manufacturer Part Number=DRV5032FBDBZR, Packaging="Cut Tape", Pricing 1="1=0.80000, 5=0.76600, 10=0.66600, 25=0.58520, 50=0.48600, 100=0.41400, 500=0.36000, 1000=0.31500 (USD)", RoHS=No, Sensing Method="Hall Effect", Stock 1=6326, Supplier 1=Digi-Key
U9: "Power Supply Support Circuit", Battery Pack Voltage=4.2V, Manufacturer="Texas Instruments", Max Charge Current=250mA, Max Operating Temperature=85°C, Max Supply Voltage=6.45V, Min Operating Temperature=-40°C, Min Supply Voltage=3.5V, Operating Supply Current=75nA, Output Voltage=4.35V, Package Quantity=250, Supplier Part Number 1=296-38373-1-ND, Category="Batteries and Accessories", ComponentLink1Description=https://www.ti.com:443/lit/ds/symlink/bq25100.pdf?src-supplier=IHS+Markit, ComponentLink1URL=https://www.ti.com:443/lit/ds/symlink/bq25100.pdf?src-supplier=IHS+Markit, ComponentLink2Description=https://datasheet.ciiva.com/46404/1854517-46404758.pdf?src-supplier=Element14, ComponentLink2URL=https://datasheet.ciiva.com/46404/1854517-46404758.pdf?src-supplier=Element14, Contact Plating=Copper,Tin,Silver, Fault Protection="Over Voltage,Over Temperature,Short Circuit", Lead Free="Lead Free", Manufacturer Part Number=BQ25100YFPT, Mount="Surface Mount", Number of Cells=1, Number of Pins=6, Output Current=250mA, Packaging="Tape and Reel", Pricing 1="1=2.24000, 10=2.01100, 25=1.89760, 100=1.51800 (USD)", REACH SVHC="No SVHC", RoHS=Yes, Stock 1=3049, Supplier 1=Digi-Key, Weight=6E-05oz
U10: "Small Signal Field-Effect Transistor, P-Channel, Metal-oxide Semiconductor FET", Continuous Drain Current (ID)=3.9A, Drain to Source Resistance=27mR, Gate to Source Voltage (Vgs)=-6V, Input Capacitance=595pF, Manufacturer="Texas Instruments", Max Operating Temperature=150°C, Max Power Dissipation=700mW, Min Operating Temperature=-55°C, Package Quantity=3000, Supplier Part Number 1=296-40008-1-ND, Category=MOSFETs, ComponentLink1Description=https://www.ti.com:443/lit/ds/symlink/csd75207w15.pdf?src-supplier=IHS+Markit, ComponentLink1URL=https://www.ti.com:443/lit/ds/symlink/csd75207w15.pdf?src-supplier=IHS+Markit, ComponentLink2Description=https://datasheet.ciiva.com/24012/slps418-267251-24012416.pdf?src-supplier=Mouser, ComponentLink2URL=https://datasheet.ciiva.com/24012/slps418-267251-24012416.pdf?src-supplier=Mouser, ComponentLink3Description=https://datasheet.ciiva.com/30021/csd75207w15-30021933.pdf?src-supplier=Avnet, ComponentLink3URL=https://datasheet.ciiva.com/30021/csd75207w15-30021933.pdf?src-supplier=Avnet, Contact Plating=Copper,Tin,Silver, Fall Time=16ns, Lead Free="Lead Free", Manufacturer Part Number=CSD75207W15, Mount="Surface Mount", Number of Pins=9, Packaging="Tape and Reel", Pricing 1="1=0.62000, 10=0.54500, 25=0.51160, 100=0.37130, 250=0.35804, 500=0.31020, 1000=0.26400 (USD)", Rds On Max=162mR, Rise Time=8.6ns, RoHS=Yes, Stock 1=8699, Supplier 1=Digi-Key, Turn-Off Delay Time=32.1ns, Turn-On Delay Time=12.8ns
U11: library part COM-USB-FT201XQ-SQ17, "USB to I2C Interface Slave Chip, UHCI/OHCI/EHCI Compatible, USB 2.0 Compatible, -40 to +85 degC, 16-Pin QFN, Pb-Free, Tape and Reel", Case/Package=QFN, Manufacturer=FTDI, Max Operating Temperature=85°C, Min Operating Temperature=-40°C, Operating Supply Current=8mA, Operating Supply Voltage=5.5V, Package Quantity=5000, Supplier Part Number 1=768-1131-1-ND, Category="Interface ICs", Code_JEDEC=MO-220WGGC, ComponentLink1Description="Manufacturer URL", ComponentLink1URL=http://www.ftdichip.com/, ComponentLink2Description=Datasheet, ComponentLink2URL=http://www.ftdichip.com/Support/Documents/DataSheets/ICs/DS_FT201X.pdf, ComponentLink3Description="FT201X Product Page", ComponentLink3URL=www.ftdichip.com/Products/ICs/FT201X.html, ComponentLink4Description=https://datasheet.ciiva.com:443/pdfs/VipMasterIC/IC/FTDI/FTDI-S-A0003060850/FTDI-S-A0003060850-1.pdf?src-supplier=IHS+Markit, ComponentLink4URL=https://datasheet.ciiva.com:443/pdfs/VipMasterIC/IC/FTDI/FTDI-S-A0003060850/FTDI-S-A0003060850-1.pdf?src-supplier=IHS+Markit, ComponentLink5Description=https://datasheet.ciiva.com/14668/0900766b811020ab-14668386.pdf?src-supplier=RSComponents, ComponentLink5URL=https://datasheet.ciiva.com/14668/0900766b811020ab-14668386.pdf?src-supplier=RSComponents, ComponentLink6Description=https://datasheet.ciiva.com/1784/ft-x-series-1784572.pdf?src-supplier=Digi-Key, ComponentLink6URL=https://datasheet.ciiva.com/1784/ft-x-series-1784572.pdf?src-supplier=Digi-Key, ComponentLink7Description=https://datasheet.ciiva.com/1784/ft-x-series-1784573.pdf?src-supplier=Digi-Key, ComponentLink7URL=https://datasheet.ciiva.com/1784/ft-x-series-1784573.pdf?src-supplier=Digi-Key, ComponentLink8Description=https://datasheet.ciiva.com/1784/ft-x-series-1784574.pdf?src-supplier=Digi-Key, ComponentLink8URL=https://datasheet.ciiva.com/1784/ft-x-series-1784574.pdf?src-supplier=Digi-Key, Data Rate=12Mbps, DatasheetVersion="ver 1.3, Feb-2013", Height=0.75mm, Interface=I2C,USB, Lead Free="Lead Free", Length=4mm, Manufacturer Part Number=FT201XQ-R, Mount="Surface Mount", Number of Pins=16, PackageDescription="16-Pin Quad Flat No-Lead, 4x4 mm Body, 0.65 mm Pitch", PackageReference=QFN-16, PackageVersion=Feb-13, Packaging="Tape and Reel", PartNumber=FT201XQ-R, Pricing 1="1=2.04000, 25=1.97000, 100=1.90000, 250=1.71000, 500=1.54002, 1000=1.46001, 2500=1.43750 (USD)", RevisionNote="DatasheetVersion updated to 1.3 Feb-2013", RoHS=Yes, Stock 1=4553, Supplier 1=Digi-Key, Weight=0.002014oz, Width=4mm
U13: library part ADP160-1_8V, "Fixed Positive LDO Regulator, 1.8V, 0.195V Dropout, CMOS, PBGA4", Manufacturer="Analog Devices", Manufacturer Part Number=ADP160ACBZ-1.8-R7, Max Input Voltage=5.5V, Max Operating Temperature=125°C, Max Output Current=150mA, Max Output Voltage=4.2V, Max Supply Current=42uA, Min Current Limit=220mA, Min Input Voltage=2.2V, Min Operating Temperature=-40°C, Min Output Voltage=1.2V, Output Voltage=1.8V, Output Voltage Accuracy=2%, Package Quantity=1, Power Supply Rejection Ratio (PSRR)=60dB, Quiescent Current=0pA, Supplier Part Number 1=ADP160ACBZ-1.8-R7CT-ND, Accuracy=2%, Category="Voltage Regulators - Linear", ComponentLink1Description=https://datasheet.ciiva.com:443/pdfs/VipMasterIC/IC/ANDI/ANDI-S-A0005865400/ANDI-S-A0005865400-1.pdf?src-supplier=IHS+Markit, ComponentLink1URL=https://datasheet.ciiva.com:443/pdfs/VipMasterIC/IC/ANDI/ANDI-S-A0005865400/ANDI-S-A0005865400-1.pdf?src-supplier=IHS+Markit, ComponentLink2Description=https://datasheet.ciiva.com/15270/adp160-161-162-163-15270706.pdf?src-supplier=Arrow+Europe, ComponentLink2URL=https://datasheet.ciiva.com/15270/adp160-161-162-163-15270706.pdf?src-supplier=Arrow+Europe, ComponentLink3Description=https://datasheet.ciiva.com/18552/adp160-161-162-163-18552055.pdf?src-supplier=Digi-Key, ComponentLink3URL=https://datasheet.ciiva.com/18552/adp160-161-162-163-18552055.pdf?src-supplier=Digi-Key, ComponentLink4Description=https://datasheet.ciiva.com/18552/adp160-161-162-163-18552056.pdf?src-supplier=Digi-Key, ComponentLink4URL=https://datasheet.ciiva.com/18552/adp160-161-162-163-18552056.pdf?src-supplier=Digi-Key, ComponentLink5Description=https://datasheet.ciiva.com/18552/adp160-161-162-163-18552054.pdf?src-supplier=Digi-Key, ComponentLink5URL=https://datasheet.ciiva.com/18552/adp160-161-162-163-18552054.pdf?src-supplier=Digi-Key, ComponentLink6Description=https://datasheet.ciiva.com/3224/adp160-161-162-163-3224663.pdf?src-supplier=Avnet, ComponentLink6URL=https://datasheet.ciiva.com/3224/adp160-161-162-163-3224663.pdf?src-supplier=Avnet, Contact Plating=Copper,Tin,Silver, Height=0.37mm, Lead Free="Contains Lead", Length=1mm, Mount="Surface Mount", Nominal Supply Current=42uA, Number of Outputs=1, Number of Pins=4, Number of Regulators=1, Operating Supply Current=42uA, Output Current=150mA, Output Type=Fixed, Packaging="Tape and Reel", Polarity=Positive, Pricing 1="1=1.12000, 10=1.00300, 25=0.95200, 100=0.73100, 250=0.64600, 500=0.61200, 1000=0.49300 (USD)", Radiation Hardening=No, RoHS=Yes, Stock 1=5770, Supplier 1=Digi-Key, Width=1mm
U14: "Analog Circuit, 1 Func, CMOS", Manufacturer=Maxim, Max Operating Temperature=70°C, Max Supply Voltage=2V, Min Operating Temperature=0°C, Min Supply Voltage=1.2V, Supplier Part Number 1=MAX30003CTI+-ND, Category="RF Semiconductors and Devices", ComponentLink1Description=https://datasheet.ciiva.com:443/pdfs/VipMasterIC/IC/MAXM/MAXM-S-A0009086108/MAXM-S-A0009086108-1.pdf?src-supplier=IHS+Markit, ComponentLink1URL=https://datasheet.ciiva.com:443/pdfs/VipMasterIC/IC/MAXM/MAXM-S-A0009086108/MAXM-S-A0009086108-1.pdf?src-supplier=IHS+Markit, ComponentLink2Description=http://www.farnell.com/datasheets/2159846.pdf?src-supplier=Farnell, ComponentLink2URL=http://www.farnell.com/datasheets/2159846.pdf?src-supplier=Farnell, ComponentLink3Description=https://pdfserv.maximintegrated.com/en/an/MAX-ECG-MONITOR-User-Guide.pdf?src-supplier=Digi-Key, ComponentLink3URL=https://pdfserv.maximintegrated.com/en/an/MAX-ECG-MONITOR-User-Guide.pdf?src-supplier=Digi-Key, ComponentLink4Description=http://www.farnell.com/datasheets/2159846.pdf?src-supplier=Element14, ComponentLink4URL=http://www.farnell.com/datasheets/2159846.pdf?src-supplier=Element14, Manufacturer Part Number=MAX30003CTI+, Number of Pins=28, Pricing 1="1=8.21000, 10=7.41200, 25=7.06760, 100=5.86090, 250=5.34380, 500=4.99902, 1000=4.98888 (USD)", REACH SVHC="No SVHC", RoHS=No, Stock 1=286, Supplier 1=Digi-Key
U15: library part CMP-0859-00376-3, "Single 2-Input Positive-OR Gate, DCK0005A, LARGE T&R", Case/Package=SC, High Level Output Current=-32mA, Low Level Output Current=32mA, Manufacturer="Texas Instruments", Max Operating Temperature=125°C, Max Supply Voltage=5.5V, Min Operating Temperature=-40°C, Min Supply Voltage=1.65V, Package Quantity=1, Quiescent Current=10uA, Supplier Part Number 1=296-9848-1-ND, Category="Logic Gates", ComponentLink1Description=https://www.ti.com:443/lit/ds/symlink/sn74lvc1g32.pdf?src-supplier=IHS+Markit, ComponentLink1URL=https://www.ti.com:443/lit/ds/symlink/sn74lvc1g32.pdf?src-supplier=IHS+Markit, ComponentLink2Description=https://datasheet.ciiva.com/27049/756781-27049784.pdf?src-supplier=Jameco, ComponentLink2URL=https://datasheet.ciiva.com/27049/756781-27049784.pdf?src-supplier=Jameco, ComponentLink3Description=https://datasheet.ciiva.com/1864/sn74lvc1g32-1864192.pdf?src-supplier=Digi-Key, ComponentLink3URL=https://datasheet.ciiva.com/1864/sn74lvc1g32-1864192.pdf?src-supplier=Digi-Key, ComponentLink4Description=https://datasheet.ciiva.com/6124/1768050-6124560.pdf?src-supplier=Farnell, ComponentLink4URL=https://datasheet.ciiva.com/6124/1768050-6124560.pdf?src-supplier=Farnell, ComponentLink5Description=https://datasheet.ciiva.com/15090/getdatasheetpartid-127914-15090759.pdf?src-supplier=Verical, ComponentLink5URL=https://datasheet.ciiva.com/15090/getdatasheetpartid-127914-15090759.pdf?src-supplier=Verical, ComponentLink6Description=https://datasheet.ciiva.com/16503/sn74lvc1g32-16503418.pdf?src-supplier=Avnet+Asia, ComponentLink6URL=https://datasheet.ciiva.com/16503/sn74lvc1g32-16503418.pdf?src-supplier=Avnet+Asia, ComponentLink7Description=https://datasheet.ciiva.com/7783/1768050-7783469.pdf?src-supplier=Element14, ComponentLink7URL=https://datasheet.ciiva.com/7783/1768050-7783469.pdf?src-supplier=Element14, ComponentLink8Description=https://datasheet.ciiva.com/7783/1768050-7783470.pdf?src-supplier=Element14, ComponentLink8URL=https://datasheet.ciiva.com/7783/1768050-7783470.pdf?src-supplier=Element14, ComponentLink9Description=https://datasheet.ciiva.com/26048/sn74lvc1g32-26048814.pdf?src-supplier=Avnet+Europe, ComponentLink9URL=https://datasheet.ciiva.com/26048/sn74lvc1g32-26048814.pdf?src-supplier=Avnet+Europe, ComponentLink10Description=https://datasheet.ciiva.com/1864/sn74lvc1g32-1864193.pdf?src-supplier=Digi-Key, ComponentLink10URL=https://datasheet.ciiva.com/1864/sn74lvc1g32-1864193.pdf?src-supplier=Digi-Key, ComponentLink11Description=https://datasheet.ciiva.com/14290/sn74lvc1g32-14290781.pdf?src-supplier=Avnet, ComponentLink11URL=https://datasheet.ciiva.com/14290/sn74lvc1g32-14290781.pdf?src-supplier=Avnet, ComponentLink12Description=https://datasheet.ciiva.com/1864/sn74lvc1g32-1864191.pdf?src-supplier=Digi-Key, ComponentLink12URL=https://datasheet.ciiva.com/1864/sn74lvc1g32-1864191.pdf?src-supplier=Digi-Key, Contact Plating=Gold, Height=0.9mm, Lead Free="Lead Free", Length=2mm, Logic Function=OR, Manufacturer Part Number=SN74LVC1G32DCKR, Max Output Current=32mA, Mount="Surface Mount", Number of Bits=1, Number of Circuits=1, Number of Elements=1, Number of Gates=1, Number of Input Lines=2, Number of Inputs=2, Number of Output Lines=1, Number of Outputs=1, Number of Pins=5, Output Current=32mA, Packaging="Tape and Reel", Pricing 1="1=0.29000, 10=0.23700, 25=0.19800, 100=0.12540, 250=0.09680, 500=0.08250, 1000=0.05610 (USD)", Propagation Delay=4ns, Radiation Hardening=No, REACH SVHC="No SVHC", RoHS=Yes, Schmitt Trigger Input=No, Stock 1=92112, Supplier 1=Digi-Key, Termination=SMD/SMT, Turn-On Delay Time=4.5ns, Weight=8.8E-05oz, Width=1.25mm